# KiCad board fpgaboard.kicad_pcb (continued)
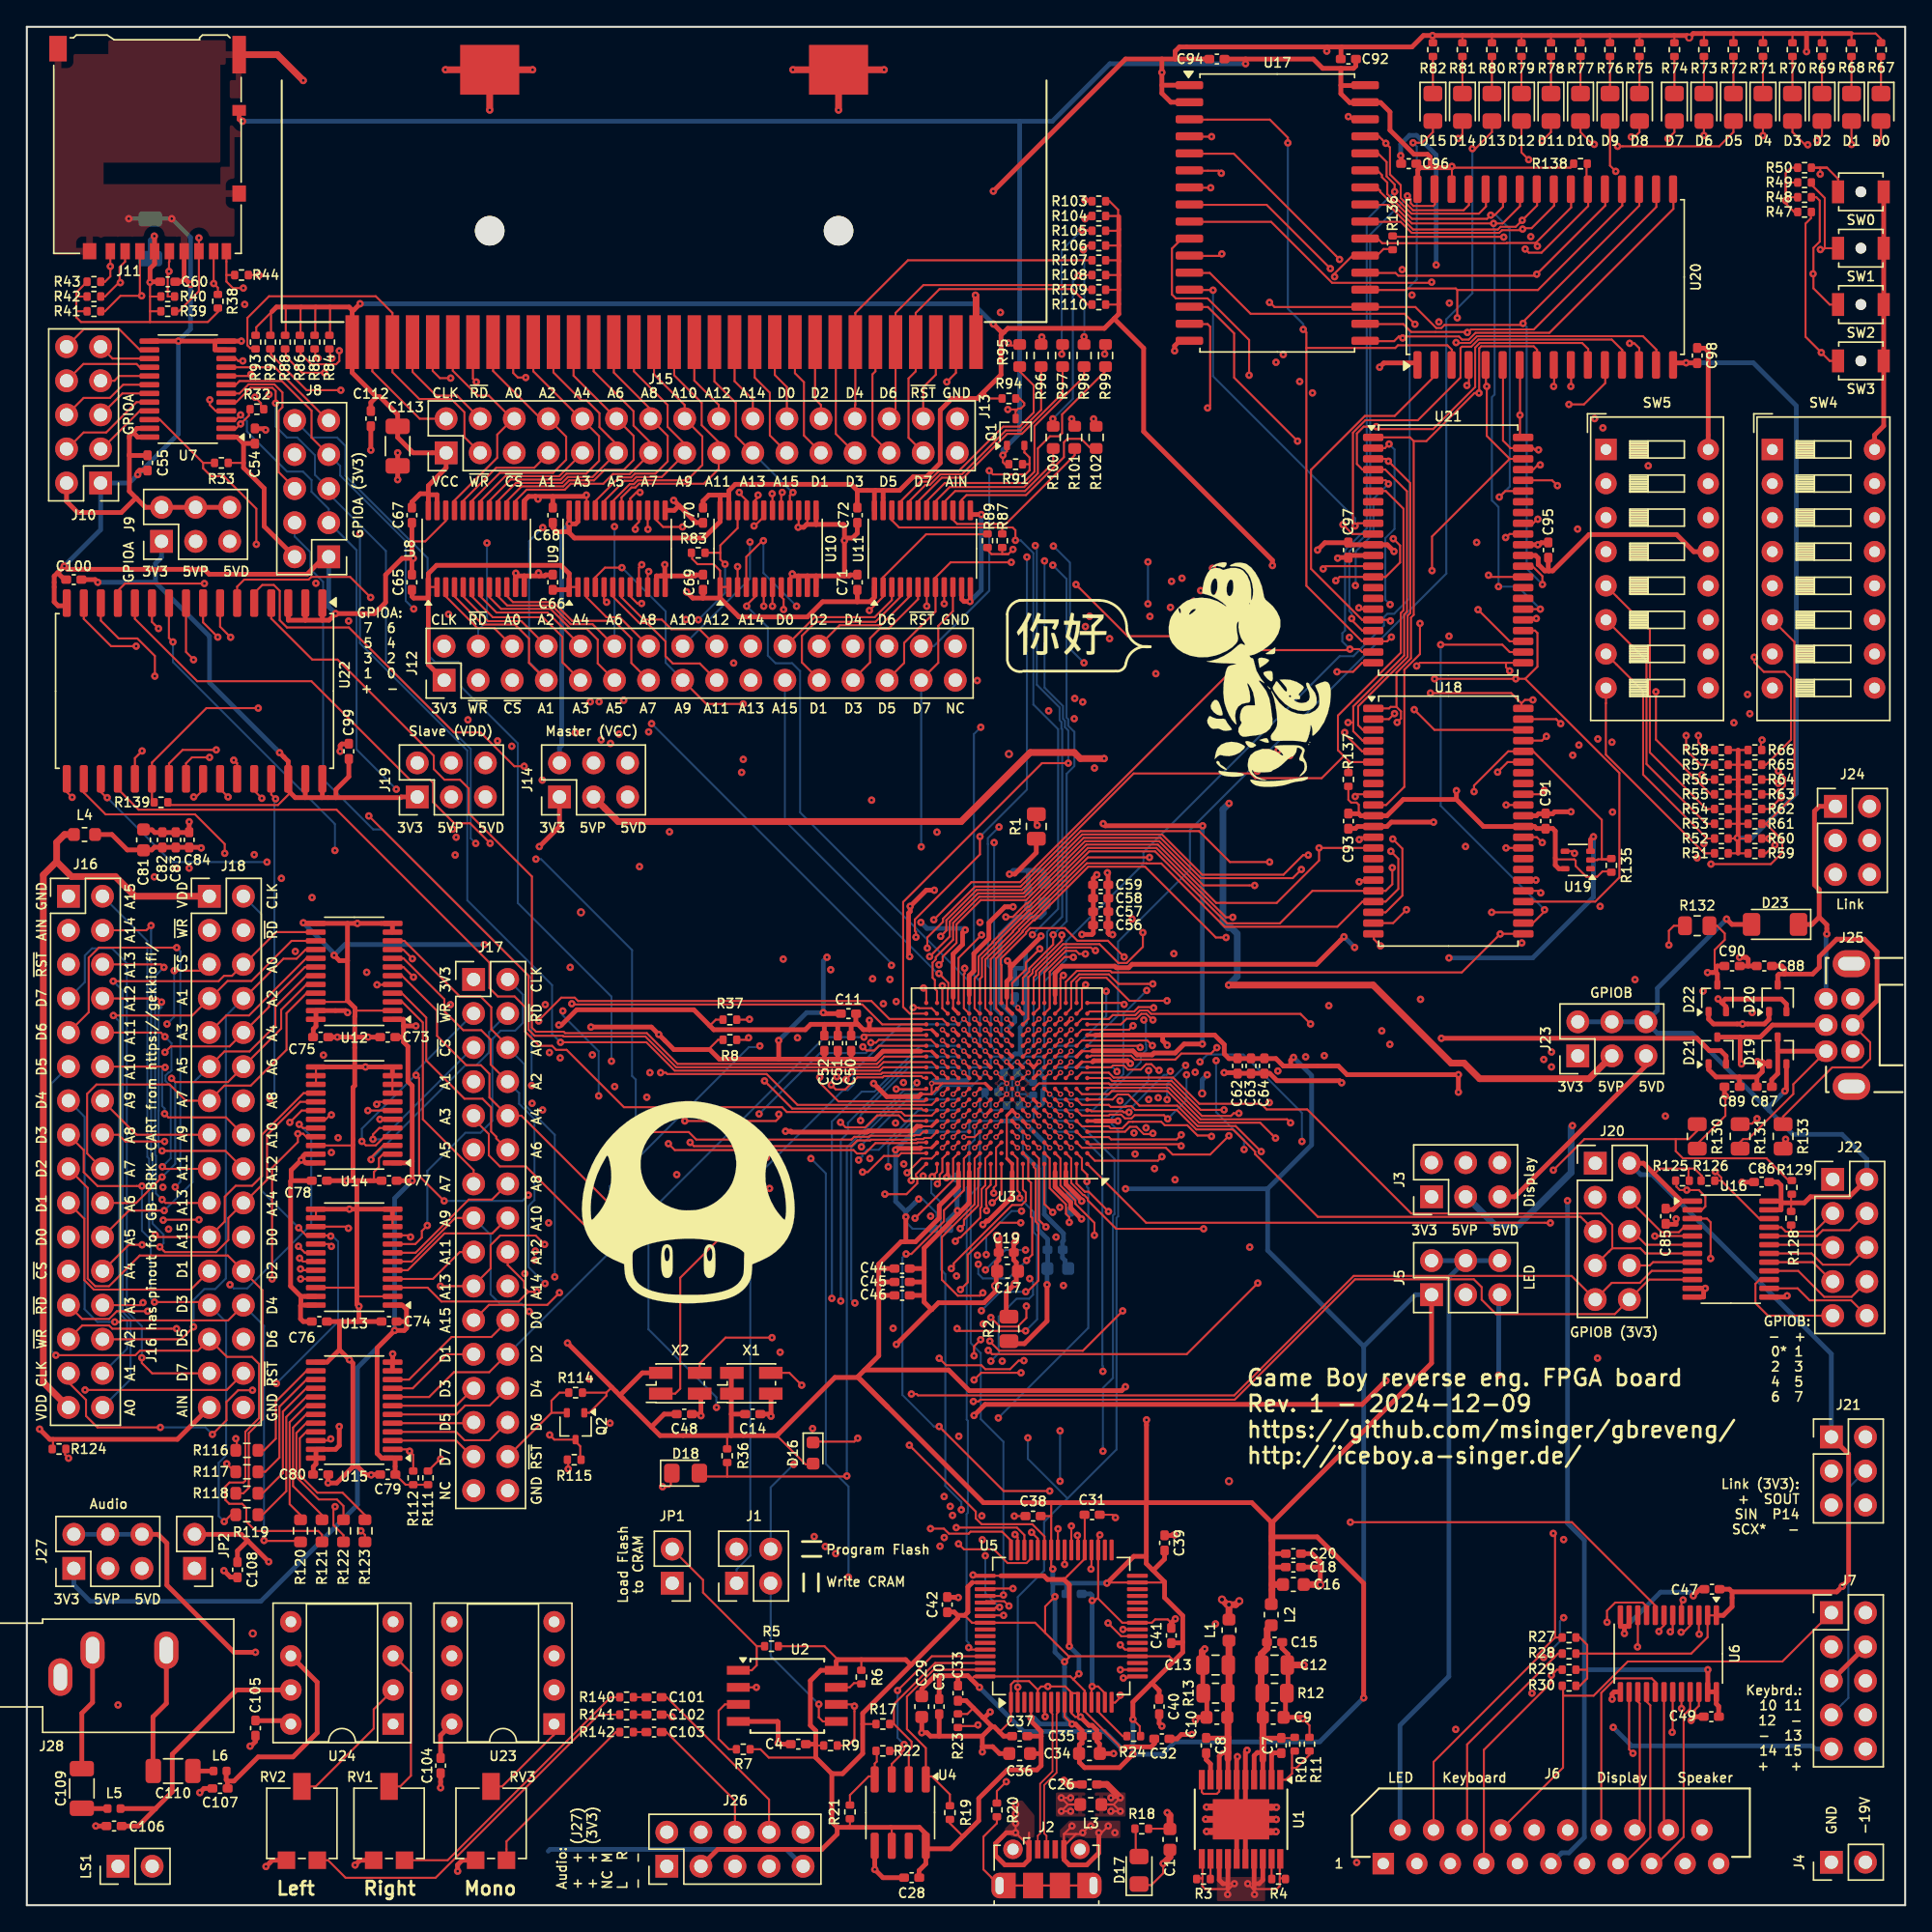
[diagram p0: board, top side]
## Nets (continued)
/CBSEL1: R51.1 SW5.8 U3.P13
/CBUS0: U3.D13 U5.48
/CBUS1: U3.E10 U5.52
/CBUS2: U3.D11 U5.53
/CBUS3: U3.C11 U5.54
/CBUS4: U3.C13 U5.55
/CDONE: D18.2 R36.2 U3.M10 U5.23
/CLOCK: U3.J3 U5.2 X1.3
/DBUS0: U3.B10 U5.38
/DBUS1: U3.B12 U5.39
/DBUS2: U3.B13 U5.40
/DBUS3: U3.A15 U5.41
/DBUS4: U3.A16 U5.43
/DBUS5: U3.B14 U5.44
/DBUS6: U3.B15 U5.45
/DBUS7: U3.C14 U5.46
/EA15: U3.R5 U18.22 U21.22
/EA16: U3.P10 U17.28 U18.21 U20.28 U21.21
/EA17: U3.N10 U17.3 U18.20 U20.3 U21.20
/EA18: U3.T10 U18.19 U20.31 U21.19
/EA19: U3.T11 U18.18 U20.2 U21.18
/EA20: R135.1 U3.T15 U18.40 U19.2
/External Link Port, GPIOB/ELP_P14: C88.1 D20.3 J24.4 J25.4 R133.1
/External Link Port, GPIOB/ELP_SCX: C87.1 D19.3 J24.5 J25.5 R131.1
/External Link Port, GPIOB/ELP_SIN: C89.1 D21.3 J24.3 J25.3 R130.1
/External Link Port, GPIOB/ELP_SOUT: C90.1 D22.3 J24.2 J25.2 R132.1
/External Link Port, GPIOB/XGPIO_B0: J22.3 R128.2 R131.2 U16.21
/External Link Port, GPIOB/XGPIO_B1: J22.4 U16.20
/External Link Port, GPIOB/XGPIO_B2: J22.5 U16.19
/External Link Port, GPIOB/XGPIO_B3: J22.6 U16.18
/External Link Port, GPIOB/XGPIO_B4: J22.7 U16.17
/External Link Port, GPIOB/XGPIO_B5: J22.8 U16.16
/External Link Port, GPIOB/XGPIO_B6: J22.9 U16.15
/External Link Port, GPIOB/XGPIO_B7: J22.10 U16.14
/GPIO_B1: J20.4 U3.J5 U16.4
/GPIO_B2: J20.5 U3.G2 U16.5
/GPIO_B3: J20.6 U3.H4 U16.6
/GPIO_B4: J20.7 U3.J2 U16.7
/GPIO_B5: J20.8 U3.J4 U16.8
/GPIO_B6: J20.9 U3.H16 U16.9
/GPIO_B7: J20.10 U3.H14 U16.10
/GPIO_B_DIR: R125.2 U3.H2 U16.2
/GPIO_B_~{OE}: R126.2 U3.H1 U16.22
/MA0: J12.6 U3.L10 U8.3 U17.12 U18.5 U20.12 U21.5
/MA1: J12.7 U3.R10 U8.4 U17.11 U18.4 U20.11 U21.4
/MA2: J12.8 U3.T9 U8.5 U17.10 U18.3 U20.10 U21.3
/MA3: J12.9 U3.N9 U8.6 U17.9 U18.2 U20.9 U21.2
/MA4: J12.10 U3.P7 U8.7 U17.8 U18.1 U20.8 U21.1
/MA5: J12.11 U3.T8 U8.8 U17.7 U18.44 U20.7 U21.44
/MA6: J12.12 U3.T7 U8.9 U17.6 U18.43 U20.6 U21.43
/MA7: J12.13 U3.L9 U8.10 U17.5 U18.42 U20.5 U21.42
/MA8: J12.14 U3.T6 U9.3 U17.27 U18.39 U20.27 U21.39
/MA9: J12.15 U3.P8 U9.4 U17.26 U18.28 U20.26 U21.28
/MA10: J12.16 U3.T5 U9.5 U17.23 U18.27 U20.23 U21.27
/MA11: J12.17 U3.M8 U9.6 U17.25 U18.26 U20.25 U21.26
/MA12: J12.18 U3.P6 U9.7 U17.4 U18.25 U20.4 U21.25
/MA13: J12.19 U3.N7 U10.8 U18.24 U21.24
/MA14: J12.20 U3.T3 U10.7 U17.30 U18.23 U21.23
/MA15: J12.21 U3.T14 U10.6
/MCLK: J12.2 U3.K9 U9.8
/MD0: J12.22 U3.R3 U11.3 U17.13 U18.9 U20.13 U21.9
/MD1: J12.23 U3.P5 U11.4 U17.14 U18.10 U20.14 U21.10
/MD2: J12.24 U3.T2 U11.5 U17.15 U18.13 U20.15 U21.13
/MD3: J12.25 U3.N5 U11.6 U17.17 U18.14 U20.17 U21.14
/MD4: J12.26 U3.R2 U11.7 U17.18 U18.31 U20.18 U21.31
/MD5: J12.27 U3.P4 U11.8 U17.19 U18.32 U20.19 U21.32
/MD6: J12.28 U3.T1 U11.9 U17.20 U18.35 U20.20 U21.35
/MD7: J12.29 U3.N6 U11.10 U17.21 U18.36 U20.21 U21.36
/MDIR: R89.2 U3.T13 U11.2
/Memory/~{EA20}: U19.4 U21.40
/P14: J6.5 J7.7 J21.4 U3.B3 U9.9
/P14_5V: R133.2 U9.15
/Power, USB, SPI/EECLK: R17.2 U4.2 U5.62
/Power, USB, SPI/EECS: R19.2 U4.1 U5.63
/Power, USB, SPI/EEDATA: R22.1 U4.3 U5.61
/Power, USB, SPI/MISO: J1.2 U2.2 U5.18
/Power, USB, SPI/MOSI: J1.3 U2.5 U5.17
/Power, USB, SPI/SCK: R9.2 U2.6 U3.R11 U5.16
/Power, USB, SPI/SS: JP1.1 U3.R12 U5.21
/Power, USB, SPI/USB_D+: J2.3 U5.8
/Power, USB, SPI/USB_D-: J2.2 U5.7
/Power, USB, SPI/VPP_2V5: D16.1 U3.E12
/PWM_L: C102.1 J26.7 U3.B2
/PWM_M: C103.1 J26.6 U3.F5
/PWM_R: C101.1 J26.8 U3.E4
/ROM_~{CS}: R137.1 U3.N12 U18.6 U21.6
/SA0: J17.6 U3.A6 U12.10
/SA1: J17.7 U3.D7 U12.9
/SA2: J17.8 U3.C6 U12.8
/SA3: J17.9 U3.B6 U12.7
/SA4: J17.10 U3.B7 U12.6
/SA5: J17.11 U3.C7 U12.5
/SA6: J17.12 U3.D9 U12.4
/SA7: J17.13 U3.E9 U12.3
/SA8: J17.14 U3.C9 U13.7
/SA9: J17.15 U3.D10 U13.6
/SA10: J17.16 U3.A11 U13.5
/SA11: J17.17 U3.A10 U13.4
/SA12: J17.18 U3.C10 U13.3
/SA13: J17.19 U3.B11 U14.6
/SA14: J17.20 U3.A7 U14.7
/SA15: J17.21 U3.B8 U14.8
/SCLK: J17.2 U3.F7 U13.8
/SCX: J20.3 J21.5 U3.G1 U16.3
/SD0: J17.22 U3.M14 U15.10
/SD1: J17.23 U3.L12 U15.9
/SD2: J17.24 U3.N16 U15.8
/SD3: J17.25 U3.L13 U15.7
/SD4: J17.26 U3.L14 U15.6
/SD5: J17.27 U3.K12 U15.5
/SD6: J17.28 U3.M16 U15.4
/SD7: J17.29 U3.J10 U15.3
/SDCARD_D0: J11.7 R39.2 U3.F1
/SDCARD_D1: J11.8 R38.2 U3.H6
/SDCARD_D2: J11.1 R43.2 U3.F2
/SDCARD_D3: J11.2 R42.2 U3.H3
/SDCARD_SW: J11.9 R44.1 U3.K15
/SDIR: R112.2 U3.P14 U15.2
/SIN: J21.3 U3.F3 U13.9
/SIN_5V: R129.2 R130.2 U13.15
/SOUT: J21.2 U3.G3 U9.10
/SOUT_5V: R132.2 U9.14
/SPEAKER: C108.1 J6.20 JP2.2
/USB_~{PWR}: U3.E11 U5.60
/USB_~{SUSP}: U3.C12 U5.36
/VA0: U3.E16 U22.12
/VA1: U3.G13 U22.11
/VA2: U3.D16 U22.10
/VA3: U3.G12 U22.9
/VA4: U3.F14 U22.8
/VA5: U3.F12 U22.7
/VA6: U3.D15 U22.6
/VA7: U3.F11 U22.5
/VA8: U3.C16 U22.27
/VA9: U3.F13 U22.26
/VA10: U3.B16 U22.23
/VA11: U3.E13 U22.25
/VA12: U3.L16 U22.4
/VA13: U3.K13 U22.28
/VD0: U3.G16 U22.13
/VD1: U3.H12 U22.14
/VD2: U3.G15 U22.15
/VD3: U3.G10 U22.17
/VD4: U3.F16 U22.18
/VD5: U3.G11 U22.19
/VD6: U3.F15 U22.20
/VD7: U3.G14 U22.21
/WRAM_~{CS}: R136.1 U3.R16 U17.22
/XRAM_~{CS}: R138.1 U3.L11 U20.22
/~{CRESET}: R37.2 U3.N11 U5.24
/~{EPROG}: U3.R9 U18.17 U21.17
/~{MCS}: J12.5 U3.M11 U10.5
/~{MDOE}: R87.2 U3.M7 U11.22
/~{MOE}: R83.2 U3.P9 U10.22
/~{MRD}: J12.4 U3.R6 U10.3 U17.24 U18.41 U20.24 U21.41
/~{MRST}: J12.30 Q1.2 R91.2 U3.R4
/~{MWR}: J12.3 U3.M9 U10.4 U17.29 U20.29
/~{SCS}: J17.5 U3.M15 U14.5
/~{SOE}: R111.2 U3.P16 U15.22
/~{SRD}: J17.4 U3.D8 U14.3
/~{SRST}: J17.30 Q2.2 R114.2 U3.J11
/~{SWR}: J17.3 U3.A9 U14.4
/~{VCS}: R139.1 U3.J12 U22.22
/~{VRD}: U3.E14 U22.24
/~{VWR}: U3.D14 U22.29
Net-(C12-Pad1): C7.1 C9.1 C12.1 C15.1 L2.2 R10.1 R12.1 U1.3 U1.4
Net-(C101-Pad2): C101.2 R140.1
Net-(C102-Pad2): C102.2 R141.1
Net-(C103-Pad2): C103.2 R142.1
Net-(C106-Pad1): C106.1 L5.2 U24.7
Net-(C107-Pad1): C107.1 L6.2 U24.6
Net-(C109-Pad1): C109.1 J28.T
Net-(C109-Pad2): C109.2 L5.1
Net-(C110-Pad1): C110.1 J28.R
Net-(C110-Pad2): C110.2 L6.1
Net-(D0-K): D0.1 R67.2
Net-(D1-K): D1.1 R68.2
Net-(D2-K): D2.1 R69.2
Net-(D3-K): D3.1 R70.2
Net-(D4-K): D4.1 R71.2
Net-(D5-K): D5.1 R72.2
Net-(D6-K): D6.1 R73.2
Net-(D7-K): D7.1 R74.2
Net-(D8-K): D8.1 R75.2
Net-(D9-K): D9.1 R76.2
Net-(D10-K): D10.1 R77.2
Net-(D11-K): D11.1 R78.2
Net-(D12-K): D12.1 R79.2
Net-(D13-K): D13.1 R80.2
Net-(D14-K): D14.1 R81.2
Net-(D15-K): D15.1 R82.2
Net-(D17-A): D17.2 R18.2
Net-(J1-Pin_1): J1.1 U3.P12
Net-(J1-Pin_4): J1.4 U3.P11
Net-(J2-Shield): J2.6 R20.1
Net-(JP1-B): JP1.2 R5.2 U2.1
Net-(JP2-A): JP2.1 LS1.1 U23.7
Net-(LS1-Pad2): LS1.2 U23.6
Net-(R140-Pad2): R140.2 RV1.1
Net-(R141-Pad2): R141.2 RV2.1
Net-(R142-Pad2): R142.2 RV3.1
Net-(U1-ADJ1): R10.2 R11.2 U1.1
Net-(U1-ADJ2): C8.1 C10.1 C13.1 L1.2 R13.1 U1.7 U1.8 U1.10
Net-(U1-BYP1): C7.2 U1.2
Net-(U1-BYP2): C8.2 U1.9
Net-(U1-PWRGD1): R4.2 U1.19
Net-(U1-PWRGD2): R3.2 U1.12
Net-(U2-~{HOLD}): R6.2 U2.7
Net-(U2-~{WP}): R7.2 U2.3
Net-(U3A-NC): R8.1 U3.N14
Net-(U4-DO): R21.2 R22.2 U4.4
Net-(U5-REF): R23.1 U5.6
Net-(U5-~{RESET}): R24.2 U5.14
Net-(U11-B1): R95.2 U11.21
Net-(U11-B2): R96.2 U11.20
Net-(U11-B3): R97.2 U11.19
Net-(U11-B4): R98.2 U11.18
Net-(U11-B5): R99.2 U11.17
Net-(U11-B6): R100.2 U11.16
Net-(U11-B7): R101.2 U11.15
Net-(U11-B8): R102.2 U11.14
Net-(U15-B1): R123.2 U15.21
Net-(U15-B2): R122.2 U15.20
Net-(U15-B3): R121.2 U15.19
Net-(U15-B4): R120.2 U15.18
Net-(U15-B5): R119.2 U15.17
Net-(U15-B6): R118.2 U15.16
Net-(U15-B7): R117.2 U15.15
Net-(U15-B8): R116.2 U15.14
Net-(U23A-+): RV3.2 U23.1 U23.3
Net-(U24A--): RV2.2 U24.2
Net-(U24B--): RV1.2 U24.3

Pads without a net: J2 4; J12 31; J17 31; J26 5; U3 B9 D6 D12 M13 P15; U4 7; U5 3 19 22 26 27 28 29 30 32 33 34 57 58 59; U18 7 8 15 16 29 30 37 38; U19 1; U21 7 8 15 16 29 30 37 38

## Via types
v1: diameter 0.55, hole 0.2, Top to Bottom, 1023 vias
v2: diameter 0.604, hole 0.3, Top to Bottom, 14 vias
v3: diameter 0.403, hole 0.2, Top to Bottom, 139 vias

## Routing (per net, layer and track width the routed paths; a pad name or vN(x,y) marks a point on that pad's centre or on a via; arc(x,y) is an arc through that point)
+1V2: length 218.6
  Top w0.15: 78.64,63.65 79.4,63.65 79.42,63.67 79.41,63.66
  Top w0.25: v3(74.64,62.85) U3.K6 v3(75.44,62.85) ; U3.K10 v3(71.44,62.85) ; U3.F10 v3(71.44,58.85) ; U3.F6 v3(75.44,58.85) ; U3.A14 68.64,54.45 ; U3.L2 78.64,63.65
  Top w0.35: v1(68.54,54.22) 68.64,54.32 68.64,54.45 ; v1(80.22,80.61) 80.38,80.45 v1(87.64,80.45) ; v1(87.61,64.19) 86.26,64.19 85.59,63.52 84.01,63.52 83.87,63.38 82.74,63.38 82.45,63.67 79.42,63.67 ; 73,43.75 73,45.67 v2(73.64,46.31) 73.75,46.42 73.75,47.9 73.55,48.1 73.55,49.32 73.7,49.47 ; 75.24,81.35 75.24,80.55 v1(75.31,80.49)
  Top w0.5: v2(90.37,22.66) 90.11,22.4 v2(89.6,22.4) ; v2(89.6,22.4) 89.46,22.4 v2(89.08,22.78) ; v2(89.6,22.4) 89.6,21.25 ; 73.6,49.37 73.7,49.47 v2(73.7,49.9)
  In1.Cu w0.35: v1(87.98,61.89) 88.04,61.96 88.04,63.76 v1(87.61,64.19)
  In1.Cu w0.5: v2(89.6,31.6) 98.9,40.9 98.9,57.5 95.9,60.5 v2(87.6,60.5)
  In2.Cu w0.102: 73.44,60.85 75.04,60.85 ; 73.44,60.85 73.44,59.25 ; 73.44,60.85 73.44,62.45 ; 73.44,60.85 71.84,60.85 ; 75.04,60.85 75.04,61.65 ; 75.04,60.85 75.04,60.05 ; 73.44,59.25 U3.F10 ; 73.44,59.25 U3.F6 ; U3.K6 v3(74.64,62.85) ; U3.K6 v3(75.44,62.85) ; U3.K6 75.04,61.65 ; U3.K6 75.84,62.45 ; U3.K6 74.24,62.45 ; v3(74.64,62.85) 74.24,62.45 ; v3(74.64,62.85) v3(75.44,62.85) ; 75.84,62.45 75.84,61.65 ; 75.84,62.45 v3(75.44,62.85) ; 75.84,61.65 75.04,61.65 ; 75.84,61.65 75.84,60.05 ; 71.84,60.45 72.24,60.45 ; 71.84,60.45 71.84,60.85 ; 71.84,60.45 U3.F10 ; 74.24,62.45 73.44,62.45 ; v3(71.44,58.85) U3.F10 ; 75.84,60.05 75.84,59.25 ; 75.84,60.05 75.04,60.05 ; 75.84,59.25 v3(75.44,58.85) U3.F6 ; 75.84,59.25 U3.F6 ; 71.84,60.85 U3.K10 73.44,62.45 ; U3.F6 75.04,60.05
  In2.Cu w0.15: 70.24,56.85 70.24,56.05 ; U3.K10 v3(71.44,62.85) 71.04,62.45 71.04,61.65 71.84,60.85 ; 71.04,58.45 71.04,57.65
  In2.Cu w0.35: 70.24,56.05 68.64,54.45 68.64,54.32 v1(68.54,54.22) ; v1(80.22,80.61) 75.43,80.61 v1(75.31,80.49) ; v3(71.44,58.85) 71.04,58.45 ; 71.04,57.65 70.24,56.85
  In2.Cu w0.5: v2(73.64,46.31) 73.04,45.71 73.04,44.14 ; 73.04,44.14 73.04,44.1 ; 73.04,44.14 73.04,49.9 ; 73.04,44.14 73.06,44.14 73.1,44.1 73.04,44.1 ; 73.04,44.1 73.04,41.71 73.55,41.2 73.55,40.2 73.04,39.69 73.04,37.36 75.7,34.7 85.1,34.7 88.2,31.6 v2(89.6,31.6) v2(89.6,22.4) ; v2(87.6,60.5) 86.9,61.2 75.5,61.2 ; v2(73.7,49.9) 73.04,49.9 ; 73.04,49.9 73.04,59.25
  Bottom w0.15: 73.99,62.05 73.99,62.4 74.44,62.85 v3(74.64,62.85) U3.K6 ; 73.99,62.05 74.64,61.4 75.04,61.4 U3.K6 ; 73.99,62.05 73.99,62 73.44,61.45 73.44,60 72.69,59.25 U3.F10 ; U3.F10 71.84,59.9 71.29,60.45 71.29,60.3 71.04,60.05 71.04,59.25 v3(71.44,58.85) U3.F10 ; v3(75.44,62.85) U3.K6
  Bottom w0.35: v2(87.6,60.5) 87.6,61.52 v1(87.98,61.89) ; v1(87.64,80.45) 87.61,80.42 v1(87.61,64.19) ; 69.34,54.22 v1(68.54,54.22)
+1V8: length 67.2
  Top w0.15: 77.3,24.28 78.85,25.82 78.85,29.1 ; 70.4,16.84 70.61,17.05 77.78,17.05 78,16.83 ; v1(81.67,11.6) 81.39,11.88 81.39,11.9 78.85,14.45 78.85,15.98 78,16.83 ; 78,16.83 78,16.83 v1(78.41,17.25) ; v1(70.52,24.61) 70.66,24.61 70.72,24.55 72.6,24.55
  Top w0.35: 69.4,17.1 70.14,17.1 v1(71,16.24) ; 69.4,17.1 68,17.1 ; 69.4,17.1 69.4,16.35 ; 68,17.1 67.68,17.1 66.7,16.12 66.7,15.55 ; 68,17.1 68,15.35 ; 72.6,24.55 75.8,24.55 76.08,24.28 77.3,24.28 77.7,23.88 v1(77.7,19.3) ; 84.05,12.4 84.05,12.05 83.8,11.8 82.67,11.8 82.67,11.8 82.21,11.8 82.21,11.8 81.87,11.8 v1(81.67,11.6)
  In1.Cu w0.35: v1(70.52,24.61) 71,24.13 v1(71,16.24)
  Bottom w0.35: v1(81.67,11.6) 80.32,12.95 74.29,12.95 v1(71,16.24) ; v1(78.41,17.25) 78.41,18.59 v1(77.7,19.3)
+3V3: length 1858.4
  Top w0.15: 73.04,67.65 73.04,66.85 ; 69.04,67.65 69.04,66.85 ; 66.64,65.25 67.45,65.25 ; 66.64,60.45 67.44,60.45 ; 67.44,60.45 U3.H15 68.24,61.25 ; 67.44,60.45 v3(67.44,61.25) 68.24,61.25 ; 66.64,56.45 67.44,56.45 ; 118.1,77.05 117.44,77.05 117.04,76.65 116.24,76.65 115.44,77.45 115.44,77.85 115.34,77.95 114.02,77.95 113.92,78.05 ; v1(74.85,13.95) 74.85,13.95 74.85,15.1 ; 99.27,81.35 99.27,82.02 99.11,82.18 98.71,82.18 98.5,82.39 98.5,83.45 ; 9.18,119.9 9.18,118.8 ; 9.18,119.9 v1(9.18,120.96) ; 9.18,119.9 10.05,119.9 ; 9.18,118.8 9.18,118.01 9.17,118 ; 9.18,118.8 10.05,118.8 ; 51.95,66 51.35,66 50.9,65.55 ; 115.4,18.75 116.25,18.75 ; 116.25,18.75 116.3,18.8 ; 116.25,18.75 124.05,18.75 125.28,19.97 125.28,21.6 125.93,21.6 ; 73.04,58.85 73.04,55.65 ; 72.7,101.35 72.7,100.71 72.69,100.7 ; v1(80.5,24) 80.55,24.05 84.75,24.05 84.8,24.1 ; 52.2,33.95 52.2,35 ; 76.35,29 76.35,25.17 v1(76.47,25.05) ; 76.35,29 76.35,29.95 76.4,30 ; 76.35,29 75.55,29 ; 101.8,124.35 110.05,124.35 v1(110.08,124.33) ; 72.69,100.7 71.9,100.7 71.6,101 71.6,101.35 ; 72.69,100.7 73.15,100.7 ; 43.2,38.2 43.2,37.97 41.92,36.7 Q2.1 ; 43.2,38.2 41.35,38.2 ; 43.2,38.2 43.6,38.6 ; 116.3,17.5 116.25,17.55 115.4,17.55 ; 116.3,17.5 116.3,16.9 115.75,16.35 115.4,16.35 ; 116.3,17.5 116.3,18.8 ; 69.85,5.2 69.7,5.2 68.8,6.1 68.8,6.45 ; 14.24,119.1 14.24,118.75 13.49,118 9.17,118 ; 61.3,5.8 61.35,5.85 61.35,6.5 ; 116.3,18.8 116.3,19.4 115.75,19.95 115.4,19.95 ; 77.35,15.1 77.35,14.05 v1(77.9,13.5) ; 121.3,54.5 121.7,54.9 123.9,54.9 ; 3.69,119.9 3.69,118.8 ; 3.69,119.9 4.55,119.9 ; 3.69,119.9 3.69,120.2 R43.1 ; 3.69,118.8 3.69,118.35 4.04,118 9.17,118 ; 3.69,118.8 4.55,118.8 ; v1(82.44,13.85) 82.95,13.34 82.95,12.6 ; 71.4,24.05 70.48,24.05 ; 73.15,100.7 v1(73.5,101.05) ; 73.15,100.7 72.81,100.7 ; 53.85,11.62 54.68,11.62 55.3,11 58.8,11 ; 64.47,4.2 64.47,5.74 ; 73.25,107.4 72.9,107.4 72.75,107.55 v1(72.75,108.07) 73.05,108.37 Q1.1 ; 52.33,98.25 51.67,98.25 51.67,99.47 51.19,99.95 49.99,99.95 49.59,100.35 49.59,100.8 ; 75.9,20.3 75.15,21.05 70.45,21.05 69.88,21.62 69.9,21.6 ; 75.9,20.3 77.7,18.5 ; 75.9,20.3 75.9,22.26 v1(76.63,23) ; 14.95,107.5 16.15,107.5 ; 10.45,82.2 10.65,82 18.72,82 19.64,82.92 ; 123.9,54.9 124.3,54.9 124.85,54.35 124.85,54 ; 123.9,54.9 123.85,54.85 123.85,54 ; v1(77.35,18.14) 77.7,18.5 77.7,18.5 ; 58.6,32.85 58.05,32.85 55.9,35 ; 63.35,13.5 62.3,13.5 ; 30.58,98.25 29.92,98.25 ; 68.24,61.25 71.44,61.25 ; 58.8,12 58.9,11.9 59.45,11.9 ; 17.45,111.5 17.45,111.95 v1(17,112.4) ; 60.45,18.3 59.45,19.3 55.95,19.3 ; 115.35,129.8 115.05,129.5 106.31,129.5 v1(106.22,129.6) 106.22,127.65 ; 85.5,18.2 85.15,18.55 77.75,18.55 77.7,18.5 ; 62.2,17.45 62.2,18.3 ; C79.1 28.23,31.34 R112.1 R111.1 ; 40.42,98.25 41.08,98.25
  Top w0.25: v3(77.84,66.05) U3.P3 ; 73.04,58.85 U3.F8 v3(73.84,58.85) ; U3.K8 v3(73.04,62.85) ; 69.44,64.86 v3(69.04,65.25) ; 67.44,56.45 U3.C15 ; U3.G6 v3(75.44,59.65) ; U3.R8 73.04,66.85 ; U3.A13 69.44,54.65 ; U3.A3 77.44,54.65 ; U3.H10 71.44,61.25 ; U3.N1 79.64,64.85 ; 73.04,55.65 U3.A8 73.44,54.65 ; 67.45,65.25 67.84,64.86 ; 69.04,66.85 U3.R13 ; U3.E1 79.64,58.45 ; U3.J6 v3(75.44,62.05)
  Top w0.35: v1(82.44,11.25) 81.44,10.25 78.84,10.25 78.45,10.64 78.45,11.95 78.57,12.07 78.65,12.07 78.65,13 78.15,13.5 v1(77.9,13.5) ; v1(85,64.1) 84.66,64.44 84.66,64.85 ; v1(94.41,63.19) 94.2,62.98 94.2,62.55 ; 94.2,62.55 93.65,62.55 93.1,63.1 89.6,63.1 89.25,63.45 89.25,64.14 88.54,64.85 84.66,64.85 ; 94.2,62.55 97.75,62.55 98.4,61.9 v1(106.7,61.9) v1(106.7,60.6) ; 46.55,35.65 47.5,36.6 48.45,36.6 ; 46.55,35.65 44.45,37.75 ; 46.55,35.65 47.2,35 52.5,35 ; 83.9,25 83.44,25.46 83.44,26 ; 83.9,25 84.8,24.1 84.8,22.92 86.15,21.57 86.15,19.6 ; 83.9,25 84,25 84.8,25.8 84.8,26.45 ; 90.84,137.6 v1(90.84,137.25) ; 90.84,137.6 89.25,137.6 ; 90.84,137.6 95.89,137.6 96.59,136.9 97.94,136.9 ; 74.75,11.3 75.6,11.3 ; 75.6,11.3 75.6,10.4 75.28,10.08 73.08,10.08 70.95,7.96 70.95,6.3 68.85,4.2 67,4.2 ; 75.6,11.3 75.6,12.6 ; 61.9,98.05 61.9,97.16 61.89,97.15 ; 66.64,60.45 66.45,60.26 64.1,60.26 v1(63.11,61.25) ; 27.55,43.5 28.3,43.5 ; 28.3,43.5 28.3,43 28.14,42.84 v1(27.41,42.84) 26.11,41.53 26.11,33.67 26.45,33.32 27.34,33.32 27.45,33.21 27.45,32.1 ; 28.3,43.5 28.3,44.41 27.98,44.72 27.25,44.72 ; v1(71.26,50.72) 71.53,51 71.64,51 73.44,52.8 73.44,54.65 ; v1(18.84,85.9) 19.17,85.57 19.17,85.57 19.48,85.25 19.48,83.07 20.01,82.55 20.74,82.55 ; J21.1 135.79,33.61 135.79,24.24 v1(135.31,23.76) 134.9,23.35 127.1,23.35 ; v1(69.94,72.69) 69.74,72.49 69.74,71.6 69.04,70.9 69.04,67.65 ; v1(81.88,38.64) 81.59,38.35 70.24,38.35 68.7,39.89 62.44,39.89 ; 23.04,82.55 27.85,82.55 27.9,82.6 J19.1 ; 23.04,82.55 21.99,82.55 ; 23.04,82.55 23.04,83.15 24,84.11 24,85.45 ; 28.08,64.8 28.08,64.34 28.4,64.01 28.4,61.39 28.72,61.07 28.72,55.45 ; 28.08,64.8 27.98,64.7 27.45,64.7 ; 28.08,64.8 28.08,65.53 ; 85.3,19.55 86.1,19.55 86.15,19.6 ; 75.6,12.6 75.6,12.96 74.85,13.71 v1(74.85,13.95) ; 75.6,12.6 74.55,12.6 ; 125.93,21.6 126.45,21.6 127.1,22.25 127.1,23.35 ; 68.6,21.85 69.13,21.85 69.38,21.6 ; v1(38.2,78.9) 39.7,80.4 J14.1 ; 63.5,46.45 63.5,45.45 ; 63.5,46.45 64.69,46.45 ; 63.5,46.45 63.5,47.45 ; 63.5,45.45 63.5,40.95 62.44,39.89 ; 63.5,45.45 64.69,45.45 ; 47.92,39.67 45.88,39.67 44.2,38 44.45,37.75 ; 83.44,26 82.5,26 v1(80.5,24) ; 83.44,26 83.44,30 ; 62.44,39.89 61.92,39.38 64.15,37.15 ; v1(80.54,76.95) 80.59,76.9 80.59,72.45 80.7,72.34 v1(80.92,72.34) ; U19.5 114.19,77.25 113.92,77.52 113.92,80.06 113.73,80.25 112.53,80.25 112.38,80.4 108.57,80.4 106.55,82.41 ; v1(96.2,101) 96.75,101.55 98.5,101.55 98.65,101.4 101.4,101.4 v1(101.9,100.9) ; 17,108.95 16.15,108.95 ; 16.15,108.95 15.68,109.42 14.85,109.42 ; 16.15,108.95 16.15,107.14 17.69,105.6 17.69,102.77 J8.2 ; 61.44,64.8 61.44,65.65 ; 61.44,65.65 61.95,65.65 ; 61.44,65.65 60.44,65.65 ; 65.9,17.9 62.3,14.3 62.3,11.3 60.8,9.8 60,9.8 ; 65.9,17.9 65.5,18.3 60.45,18.3 60.33,18.18 U2.8 59.17,17.5 58.4,16.73 58.4,13.4 58.8,13 58.8,12 ; 65.9,17.9 69.38,21.38 69.38,21.6 ; 21.99,82.55 22.03,82.58 22.03,84.15 ; 21.99,82.55 20.74,82.55 ; 113.4,100.45 113.4,99.49 113.44,99.45 ; 28.72,55.45 v1(28.72,53.99) 28.72,54 27.55,54 ; 28.72,55.45 28.6,55.33 27.25,55.33 ; 124.5,116.05 125.08,116.05 125.32,115.81 SW5.16 ; 86.15,19.6 86.15,18.85 83.8,16.5 ; 103.68,127.65 103.68,129.32 103.85,129.5 ; 84.66,64.85 79.64,64.85 ; C47.1 126.9,23.55 127.1,23.35 ; v1(62.8,65.95) 62.8,65.25 ; 62.8,65.25 66.64,65.25 ; 62.8,65.25 62.35,65.25 61.95,65.65 ; J11.10 15.83,133.1 15.94,133.1 v1(16.08,132.96) ; 59.44,64.8 59.44,65.65 ; 59.44,65.65 60.44,65.65 ; 59.44,65.65 58.42,65.65 58.02,65.25 51.2,65.25 50.9,65.55 49.71,66.74 40.98,66.74 39.84,65.6 v1(39.65,65.6) ; 65.44,49.45 65.52,49.53 v1(65.52,51.3) ; 65.44,49.45 65.17,49.45 63.5,47.78 63.5,47.45 ; 65.44,49.45 66.24,49.45 68,51.21 68,52.13 69.44,53.57 69.44,54.65 ; 50.39,97.42 49.64,97.42 v1(49.17,97.89) ; 50.39,97.42 51.67,97.42 ; 50.39,97.42 50.4,97.43 50.4,98.05 ; 66.5,2.05 66.5,2.58 67,3.08 67,4.2 ; 52.5,35 55.9,35 60.23,39.33 61.97,39.33 64.15,37.15 ; 52.5,35 52.5,36.6 ; 97.94,135.65 97.97,135.62 99.75,135.62 ; 97.94,135.65 97.94,135.01 98.6,134.35 100.9,134.35 101.6,133.66 101.6,132.3 103.4,130.5 104.4,130.5 104.6,130.3 104.6,129.5 ; 97.94,135.65 97.94,136.9 ; 83.44,30 71.3,30 64.15,37.15 ; 83.44,30 91.3,30 92.8,28.5 104.7,40.4 J5.1 ; 83.44,30 83.45,30.01 v1(83.45,36.17) ; 60,9.8 58.8,11 58.8,12 ; 60,9.8 60,6.2 60.4,5.8 ; v1(75.59,72.24) 75.59,72.18 73.4,70 73.31,70 ; 61.89,97.15 59.31,97.15 58.18,96.02 53.08,96.02 51.67,97.42 ; 61.89,97.15 62.85,97.15 63.17,97.47 63.17,98.25 ; 61.95,65.65 61.79,65.81 61.79,66.45 ; 44.45,37.75 v1(40.3,41.9) ; SW0.2 SW1.2 SW2.2 SW3.2 138.4,110.26 137.72,109.58 SW4.16 ; 60.4,5.8 60.4,5.3 59.26,4.16 51.5,4.16 50.24,2.91 J26.3 ; 60.4,5.8 66.53,5.8 67,5.32 67,4.2 ; 97.94,136.9 98.88,136.9 99.05,137.07 99.05,137.6 ; 106.55,82.41 v1(106.55,83.07) ; 106.55,82.41 102.59,82.41 101.38,81.2 99.42,81.2 99.27,81.35 98.5,81.35 ; 83.8,16.5 82.44,15.14 v1(82.44,13.85) ; 83.8,16.5 83.9,16.5 84.4,16 84.4,15.35 ; 27.25,66.03 28.08,66.03 28.08,65.53 ; 51.67,97.42 51.67,98.25 ; 58.8,12 58.15,12 ; 104.6,129.5 103.85,129.5 ; 104.6,129.5 106.12,129.5 v1(106.22,129.6) ; v1(9.5,124.4) 9.52,124.38 J11.4 9.52,122.33 9.18,121.98 v1(9.18,120.96) 9.22,121 9.95,121 ; 63.5,47.45 64.69,47.45 ; 60.44,65.65 60.44,64.8 ; v1(73.09,70.38) 73.36,70.11 73.36,70.05 73.31,70 ; 73.04,67.65 73.04,68.85 73.31,69.12 73.31,70 ; 20.75,84.15 20.75,82.56 20.74,82.55 ; 28.7,98.05 28.7,97.56 28.83,97.42 29.92,97.42 ; 123.32,52.47 123.32,52.47 122.7,51.85 122.4,51.85 ; 123.32,52.47 120.5,55.3 J20.2 ; 123.32,52.47 124.15,52.47 ; 93.85,25.2 92.8,25.2 ; 69.38,21.6 69.9,21.6 70.14,21.84 70.14,23.72 70.47,24.05 70.48,24.05 ; 29.92,97.42 29.92,99.25 30.54,99.86 39.81,99.86 40.43,99.25 40.43,98.25 40.22,98.05 39.2,98.05 ; 29.92,97.42 29.92,92.46 31.09,91.3 J12.1 ; v1(5.29,98.6) 5.09,98.8 4.05,98.8 ; 77.44,54.65 77.44,53.73 78.62,52.55 v1(78.62,52.47) ; 103.85,129.5 103.55,129.8 ; 52.92,39.67 X1.4 52.5,39.63 52.5,36.6 ; 111.4,100.6 112.45,100.6 112.65,100.4 112.65,99.92 112.65,99.92 112.67,99.92 113.14,99.45 113.44,99.45 ; 52.5,36.6 53.55,36.6 ; 66.64,56.45 66.59,56.4 64.86,56.4 v1(64.75,56.29) ; 93.85,26.2 92.8,26.2 ; 92.8,27.45 96.18,27.45 99.64,23.99 v1(99.64,15.45) ; 28.08,65.53 v1(29,65.53) ; 79.64,58.45 v1(81.32,58.45) ; 113.44,99.45 113.73,99.45 116.44,102.16 122.96,102.16 124.24,100.88 SW5.13
  Top w0.5: 93.65,23.9 92.8,23.9 ; 92.8,23.9 92.8,28.5 ; 92.8,23.9 92.8,22.65
  In1.Cu w0.15: 75.84,59.25 78.24,59.25
  In1.Cu w0.35: v1(85,64.1) 84.38,64.72 81.44,64.72 80.11,66.05 v3(77.84,66.05) 77.84,69.14 78.12,69.42 ; v1(63.04,69.05) 63.06,69.03 63.06,66.21 v1(62.8,65.95) 62.8,65.24 63.45,64.59 63.45,63.83 63.11,63.49 v1(63.11,61.25) 62.84,60.97 v1(62.84,55.65) ; SW5.9 SW5.10 SW5.11 SW5.12 SW5.13 SW5.14 SW5.15 SW5.16 ; 81.3,94.3 80.8,94.3 v1(80.7,94.4) ; 81.3,94.3 81.3,88.6 80.92,88.22 80.92,77.45 ; 81.3,94.3 81.3,95.8 86.5,101 v1(96.2,101) ; v1(80.54,76.95) 80.92,77.33 80.92,77.45 ; v1(135.31,23.76) 135.75,23.33 135.75,13.11 134.5,11.86 J7.9 ; 72.66,100.7 72.66,98.2 ; 72.66,100.7 73.15,100.7 v1(73.5,101.05) ; 72.66,100.7 72.66,107.97 v1(72.75,108.07) ; 72.66,98.2 49.03,98.2 ; 72.66,98.2 76,98.2 v1(78.9,95.3) ; 80.92,77.45 v1(80.92,72.34) 80.92,71.55 78.79,69.42 78.12,69.42 ; v1(17,112.4) 17,112.72 ; 17,112.72 17,103.39 19.89,100.5 J8.2 19.96,99.14 21.5,97.6 24.9,97.6 ; 17,112.72 17,112.8 15.02,114.78 15.02,118.3 ; 106.6,83.02 106.6,62 v1(106.7,61.9) 114.2,61.9 J23.1 115.62,63.3 116.86,64.54 118.85,64.54 119.44,63.95 J20.2 ; 106.6,83.02 106.6,99.2 104.9,100.9 ; 106.6,83.02 v1(106.55,83.07) ; 104.9,100.9 v1(101.9,100.9) ; 104.9,100.9 104.69,101.11 104.69,118.94 v1(110.08,124.33) ; 78.12,69.42 78.12,69.48 75.59,72 v1(75.59,72.24) ; 15.02,118.3 15.02,131.91 v1(16.08,132.96) ; 15.02,118.3 11.84,118.3 v1(9.18,120.96) ; 49.03,98.2 25.23,98.2 24.9,97.87 24.9,97.6 ; 49.03,98.2 49.17,98.05 v1(49.17,97.89) ; v1(83.45,36.17) 82.86,36.17 81.03,38.01 81.03,38.85 ; v3(75.44,59.65) 75.84,59.25 ; 24.9,97.6 24.9,96.3 29.9,91.3 J12.1 31.1,87.4 30.3,86.6 30.3,83.8 J19.1 29.1,81.4 30.9,79.6 v1(32,79.6) 32.28,79.87 37.23,79.87 v1(38.2,78.9) ; v1(29,65.53) 29,65.83 32.17,69 J17.1 34.6,67.7 37.2,67.7 39.3,65.6 v1(39.65,65.6) 39.8,65.6 40.43,64.97 40.43,42.03 v1(40.3,41.9) ; 78.24,59.25 80.64,59.25 81.32,58.57 v1(81.32,58.45) 81.89,57.88 v1(81.89,53.39) 81.89,45.49 81.03,44.63 81.03,38.85 ; 81.03,38.85 81.09,38.92 81.61,38.92 v1(81.88,38.64) ; J26.4 J26.3 ; v1(106.7,60.6) 106,59.9 106,54.1 J3.1 104.7,50.1 106,48.8 106,46.8 J5.1 ; SW4.16 SW4.15 SW4.14 SW4.13 SW4.12 SW4.11 SW4.10 SW4.9
  In2.Cu w0.35: v1(62.84,55.65) 64.11,55.65 v1(64.75,56.29) ; v3(69.04,65.25) 68.32,65.97 62.82,65.97 v1(62.8,65.95) ; v1(63.04,69.05) 63.04,69.73 66.01,72.7 66.09,72.7 v1(66.64,73.25) ; J17.1 33.3,78.3 v1(32,79.6) ; v1(81.89,53.39) 79.54,53.39 v1(78.62,52.47) ; v1(27.41,42.84) 30.35,39.9 38.3,39.9 v1(40.3,41.9) ; v1(106.55,83.07) 113.02,89.53 124.08,89.53 125.27,90.72 SW5.9 ; v1(110.08,124.33) 110.08,126.44 106.91,129.6 v1(106.22,129.6) ; SW5.13 126.4,100.88 127.71,99.57 136.5,99.57 137.72,98.35 SW4.12 ; v1(99.64,15.45) 111.72,15.45 113.92,13.25 v1(118.24,13.25) ; v1(69.94,72.69) 72.25,70.38 v1(73.09,70.38) ; J8.2 19.89,100.5 17.49,102.89 11.26,102.89 10.04,101.67 J9.1 ; J7.10 J7.9 ; v1(66.48,52.63) 66.8,52.63 67,52.43 70.55,52.43 70.98,52 70.98,51 v1(71.26,50.72) ; J27.1 3.5,23.85 6.01,21.35 13.28,21.35 17.32,17.31 32.01,17.31 42.14,7.18 48.51,7.18 50.24,5.45 J26.4 ; v1(78.9,95.3) 79.8,95.3 v1(80.7,94.4)
  Bottom w0.15: 75.84,62.45 75.84,63.05 75.64,63.25 75.04,63.25 74.24,63.25 ; 67.84,57.65 70.04,57.65 70.24,57.85 70.24,58.25 70.44,58.45 72.64,58.45 ; 74.24,58.45 74.84,58.45 75.04,58.65 75.04,59.25 ; 72.64,63.25 72.04,63.25 71.84,63.05 71.84,62.65 71.64,62.45 70.44,62.45 70.24,62.25 70.24,61.65 ; v1(65.52,51.3) 65.52,50.91 66.01,50.42 67.57,50.42 67.57,50.89 67.81,51.14 67.81,51.59 66.77,52.63 66.48,52.63 v1(66.48,52.63)
  Bottom w0.35: 74.04,63.45 73.64,63.45 73.44,63.25 v3(73.04,62.85) 72.64,63.25 ; 74.04,63.45 74.24,63.25 ; 74.04,63.45 74.04,65.41 74.44,65.81 74.44,69.9 ; v3(73.84,58.85) 74.04,58.65 ; 74.04,58.65 73.64,58.65 73.44,58.45 72.64,58.45 ; 74.04,58.65 74.24,58.45 ; 75.04,59.25 v3(75.44,59.65) 75.59,59.65 75.72,59.78 75.72,60.72 75.84,60.85 75.84,61.65 v3(75.44,62.05) 75.84,62.45 ; 70.24,61.65 70.04,61.45 67.64,61.45 v3(67.44,61.25) ; v1(82.44,13.85) v1(82.44,11.25) 84.64,11.25 85.56,12.17 96.36,12.17 v1(99.64,15.45) 99.64,41.64 ; 92.48,53.39 95.76,56.67 95.76,61.84 v1(94.41,63.19) ; 92.48,53.39 v1(81.89,53.39) ; 92.48,53.39 92.48,48.81 99.64,41.65 99.64,41.64 ; 73.64,69.83 v1(73.09,70.38) ; 73.64,69.83 74.37,69.83 74.44,69.9 ; 73.64,69.83 73.64,68.8 ; J21.1 134.5,41.09 121.14,54.45 120.29,54.45 J20.2 ; 99.64,41.64 103.5,45.5 J5.1 ; v1(72.75,108.07) 72.75,108.46 74,109.71 74,132.96 ; J27.1 3.5,23.88 4.73,22.65 17.44,22.65 24.64,29.85 24.64,40.06 v1(27.41,42.84) 27.41,52.68 v1(28.72,53.99) ; v1(76.47,25.05) 76.47,24.01 76.47,24 ; 74.44,69.9 74.44,71.02 75.59,72.17 v1(75.59,72.24) ; v1(18.84,85.9) 13.61,91.13 13.61,94.58 9.59,98.6 ; v1(90.84,137.25) 80.72,137.25 76.44,132.96 74,132.96 ; 77.5,24 76.47,24 ; 77.5,24 77.5,23.2 ; 77.5,24 v1(80.5,24) ; 76.47,24 76.47,23.15 v1(76.63,23) 76.63,18.86 v1(77.35,18.14) 77.35,14.05 v1(77.9,13.5) 75.53,13.5 75.08,13.95 v1(74.85,13.95) ; 65.52,51.69 65.69,51.86 65.71,51.86 v1(66.48,52.63) ; 65.52,51.69 v1(65.52,51.3) 65.52,51.49 ; 65.52,51.69 64.76,52.45 64.76,55.89 64.75,55.9 v1(64.75,56.29) 66.11,57.65 67.84,57.65 ; v1(5.29,98.6) 9.59,98.6 ; 9.59,98.6 9.59,100 10.04,100.45 J9.1 ; 74,132.96 v1(16.08,132.96) ; v1(9.18,120.96) 9.2,120.98 9.2,124.1 v1(9.5,124.4) ; v1(66.64,73.25) 67.09,72.8 69.83,72.8 v1(69.94,72.69) ; J7.9 133.3,11.64 133.06,11.87 119.62,11.87 v1(118.24,13.25) ; 77.64,52.8 78.3,52.8 v1(78.62,52.47)
+5VD: length 361
  Top w0.15: 40.35,33.2 v1(40.35,32.51)
  Top w0.35: v1(101.3,39.1) 99.52,37.32 71.42,37.32 v1(70.6,36.5) ; v1(13,78.8) 12.95,78.85 10.1,78.85 10.1,78.85 9.51,78.85 9.31,78.65 7.49,78.65 6.34,79.8 5.05,79.8 ; J23.5 120.68,62.57 110.91,52.8 J3.5
  In1.Cu w0.35: J19.5 31.78,80.2 v1(31.74,80.2) ; v1(91.71,84.52) 90.9,83.71 90.9,74.86 100.6,65.17 v1(100.99,65.17) ; J9.5 15.12,98.48 13,96.35 13,78.8 v1(13,78.8)
  In2.Cu w0.35: 10.83,26.23 9.71,25.1 J27.5 ; 10.83,26.23 10.83,41.18 8,44.01 8,76.67 10.13,78.8 v1(13,78.8) 13.2,79 22.07,79 22.32,79.25 30.8,79.25 v1(31.74,80.2) 32.3,80.2 32.8,79.7 41.88,79.7 J14.5 46.97,84.79 46.97,86.02 47.3,86.34 71.7,86.34 71.75,86.38 89.85,86.38 v1(91.71,84.52) ; 10.83,26.23 34.06,26.23 39.2,31.36 ; J3.5 109.78,52.79 108.52,51.53 108.52,46.82 109.78,45.56 J5.5 ; v1(70.6,36.5) 58.73,36.5 53.96,31.74 39.57,31.74 39.2,31.36 ; v1(109.7,39.5) 101.7,39.5 v1(101.3,39.1) ; v1(100.99,65.17) 113.64,65.17 114.17,64.64 119.31,64.64 120.65,63.3 J23.5 ; 39.2,31.36 v1(40.35,32.51)